# KiCad board pcb.kicad_pcb (continued)
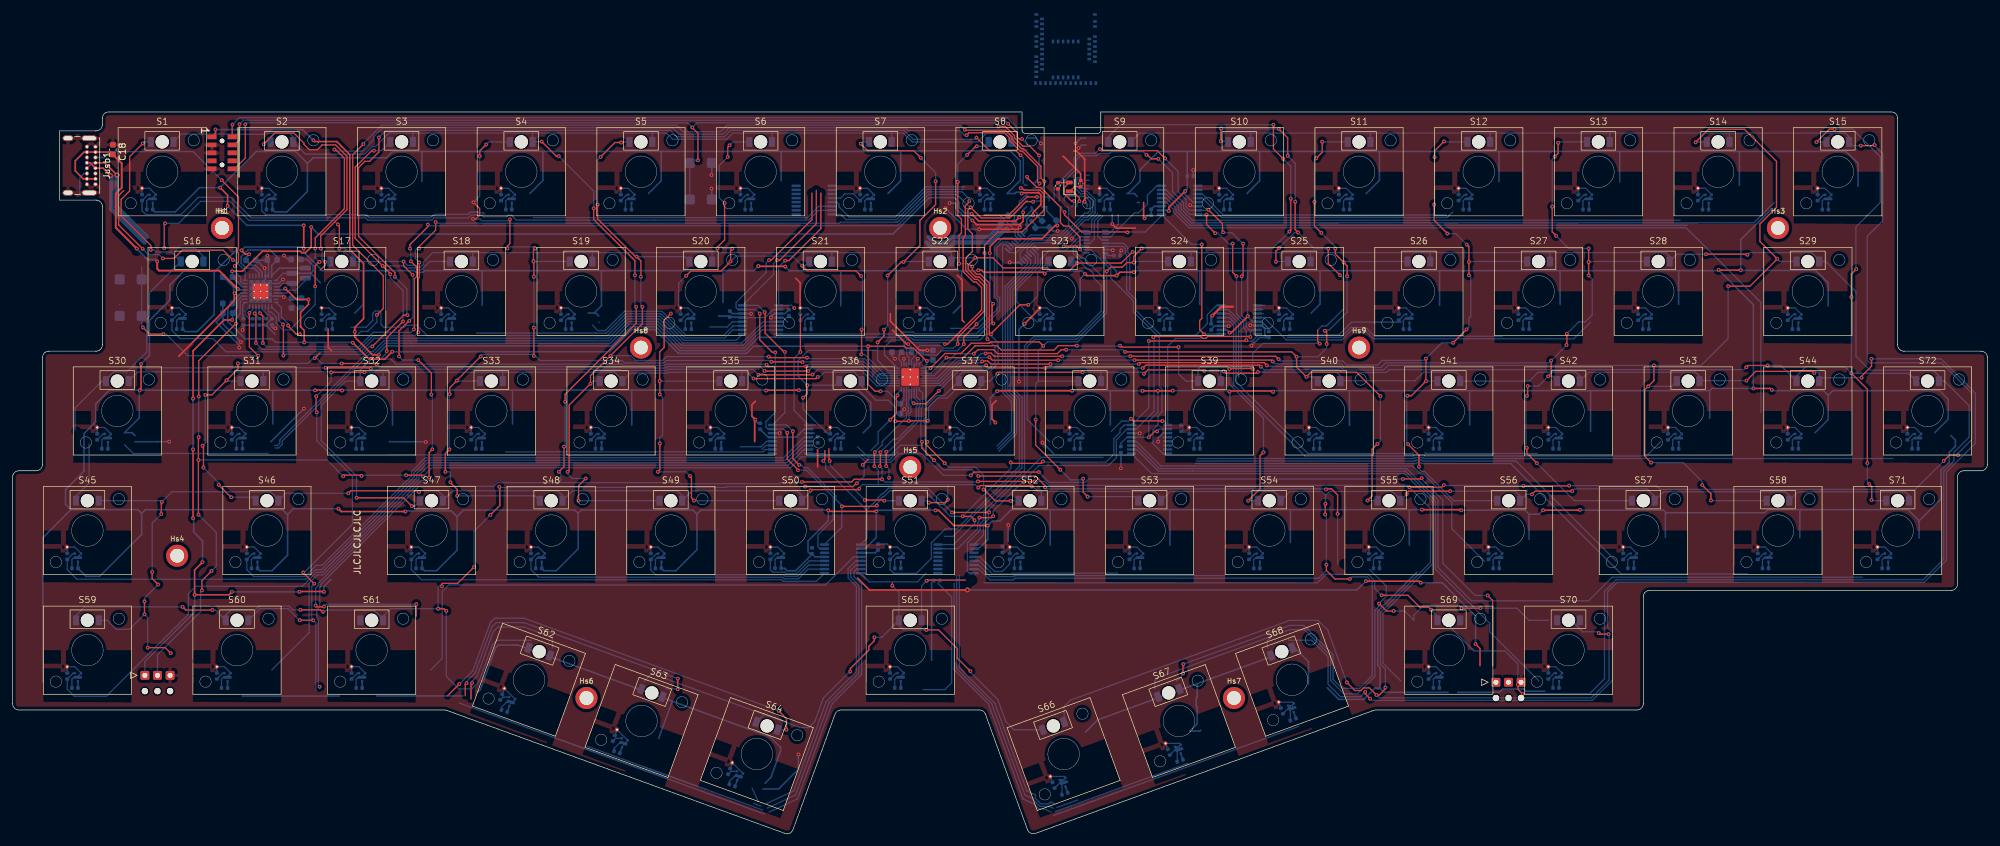
[diagram p0: board, top side]
## Routing (per net, layer and track width the routed paths; a pad name or vN(x,y) marks a point on that pad's centre or on a via; arc(x,y) is an arc through that point) (continued)
/CS14: length 141.9
  Top w0.2: v1(99.97,83.66) 99.97,80.96 v1(94.91,75.9) 91.74,72.73 v1(91.74,71.44) 88.36,68.06 88.36,57.7 v1(88.11,57.45) ; v1(120.02,75.75) 120.19,75.58 v1(126.11,75.58) ; v1(89.85,52.86) 89.85,55.25 v1(90.99,56.39) ; v1(96.6,109.76) 95.63,109.76 v1(93.34,107.47) ; v1(92.86,99.91) 92.86,97.65 98.89,91.62 v1(99.08,91.62) 99.74,90.96 v1(99.74,88.43)
  Bottom w0.2: v1(90.99,56.39) 88.83,56.39 88.11,57.11 v1(88.11,57.45) ; v1(126.11,75.58) 126.25,75.44 135.24,75.44 137.97,72.71 LEDDR1.21 ; D20.1 106.69,91.62 v1(99.08,91.62) ; v1(93.34,107.47) 92.86,106.99 v1(92.86,99.91) ; v1(120.02,75.75) 103.79,75.75 103.17,75.13 98.9,75.13 98.13,75.9 v1(94.91,75.9) ; D5.1 96.7,109.86 v1(96.6,109.76) ; v1(99.74,88.43) 99.74,83.89 v1(99.97,83.66) ; D34.1 92.16,71.86 v1(91.74,71.44) ; D49.1 v1(89.85,52.86)
/CS15: length 141.6
  Top w0.2: v1(134.78,80.05) 134.78,76.13 v1(134.73,76.09) ; v1(107.53,56.79) 107.77,56.55 107.77,53.3 v1(108.19,52.88) ; v1(114.25,92.88) 113.98,92.61 v1(113.98,90.86) 112.47,89.35 107.68,89.35 v1(106.92,88.59) ; v1(113.82,109.33) 113.53,109.04 v1(113.53,107.46) ; v1(111.9,92.92) 111.9,93.15 113.03,94.28 v1(113.03,100.16) ; v1(102.75,61.96) 102.75,57.75 v1(102.44,57.44) ; v1(104.49,82.58) 103.44,81.53 103.44,77.2 102.72,76.48 v1(102.72,71.88) 102.74,71.86 v1(102.74,69.74) ; v1(134.69,88.56) 133.86,89.39 126.14,89.39 v1(125.36,90.17)
  Bottom w0.2: D35.1 102.74,71.86 v1(102.72,71.88) ; v1(102.75,61.96) 102.74,61.97 102.74,62.83 103.19,63.28 103.19,69.29 v1(102.74,69.74) ; LEDDR1.22 138.25,73.11 135.27,76.09 v1(134.73,76.09) ; D6.1 114.35,109.86 v1(113.82,109.33) ; D50.1 108.21,52.86 v1(108.19,52.88) ; v1(113.03,100.16) 112.17,101.02 112.17,106.1 v1(113.53,107.46) ; 105.74,83.83 105.74,87.41 v1(106.92,88.59) ; v1(113.98,90.86) 114.84,91.72 123.81,91.72 v1(125.36,90.17) 125.76,90.17 D21.1 ; v1(107.53,56.79) 106.88,57.44 v1(102.44,57.44) ; v1(134.78,80.05) 134.91,80.18 134.91,88.34 v1(134.69,88.56) ; v1(114.25,92.88) 112.81,92.88 112.54,93.15 111.96,93.15 111.9,93.09 v1(111.9,92.92)
/CS16: length 106
  Top w0.2: v1(137.32,78.01) 138.33,79.02 v1(138.33,80.02) ; v1(138.4,52.86) 138.3,52.96 v1(135.29,52.96) ; v1(144.18,107.33) 143.05,108.46 135.75,108.46 v1(134.64,109.57) ; v1(146.53,103.6) 146.53,99.88 144.03,97.38 144.03,93.38 v1(141.44,90.79) 141.08,90.79 v1(138.91,88.62) ; v1(129.71,59.16) 129.59,59.28 129.59,61.11 ; v1(126.15,71.21) 126.15,69.87 v1(125.48,69.2)
  Bottom w0.2: v1(146.53,103.6) 146.53,104.98 v1(144.18,107.33) ; v1(125.48,69.2) 125.48,67.42 129.59,63.31 ; 137.32,76.73 v1(137.32,78.01) ; 137.32,76.73 137.31,76.74 126.35,76.74 124.69,75.08 124.69,72.67 v1(126.15,71.21) 130.55,71.21 D36.1 ; 137.32,76.73 137.32,75.14 138.95,73.51 LEDDR1.23 ; D51.1 v1(138.4,52.86) ; v1(135.29,52.96) 129.79,58.46 129.79,59.08 v1(129.71,59.16) ; v1(141.44,90.79) 141.51,90.86 D22.1 ; v1(138.33,80.02) 138.91,80.6 v1(138.91,88.62) ; D7.1 134.93,109.86 v1(134.64,109.57)
/CS17: length 122.2
  Top w0.2: v1(161.24,83.97) 159.9,83.97 155.3,79.37 v1(155.3,79.3) ; v1(150.25,90.5) 150.25,95.02 150.63,95.4 150.63,97.57 150.05,98.15 v1(150.05,103.51) ; 155.05,79.24 155.05,79.26 155.1,79.3 v1(155.3,79.3) ; v1(153.06,109.16) 152.9,109.16 v1(151.52,107.78) ; v1(158.45,52.83) 156.01,52.83 154.22,54.62 v1(154.13,54.62) ; v1(155.3,79.3) 155.23,79.3 155.05,79.48 155.05,87.41 153.61,88.85 153.01,88.85 152.35,89.51 v1(152.35,90.05) ; v1(147.98,58.81) 144.97,61.82 144.97,61.96 v1(145.22,62.21)
  Bottom w0.2: v1(151.52,107.78) 150.05,106.31 v1(150.05,103.51) ; v1(161.24,83.97) 161.37,83.97 162.72,85.32 162.72,89.13 D23.1 ; v1(145.22,62.21) 144.87,62.55 144.87,65.06 144.65,65.28 144.65,65.82 145.02,66.19 145.02,67.9 146.69,69.56 147.9,69.56 D37.1 150.2,72.66 150.82,73.28 155.03,73.28 156.45,74.7 156.45,77.95 155.3,79.1 v1(155.3,79.3) 154.5,79.3 153.58,78.38 143.02,78.38 142.6,78.8 141.74,78.8 141.32,78.38 139.57,78.38 138.4,77.21 138.4,76.02 LEDDR1.24 ; v1(152.35,90.05) 151.9,90.5 v1(150.25,90.5) ; v1(153.06,109.16) 154.25,109.16 D8.1 ; v1(158.45,52.83) 159.67,52.83 D52.1 ; v1(147.98,58.81) 148.62,58.17 152.89,58.17 154.13,56.93 v1(154.13,54.62)
/GPIO_X: length 161.4
  Top w0.2: v1(48.03,86.92) 48.03,90.18 48.63,90.78 v1(48.71,90.78) ; v1(48.04,92.92) 48.04,94.61 52.67,99.24 52.67,107.25 51.27,108.65 v1(51.08,108.65) ; v1(163.04,103.26) 162.95,103.26 162.71,103.5 162.71,105.96 160.29,108.37 159.99,108.37 158.25,110.11 158.25,110.51 157.45,111.31 151.85,111.31 v1(151.45,110.91)
  Bottom w0.2: v1(48.04,92.92) 48.04,91.45 v1(48.71,90.78) ; v1(48.03,86.92) 48.03,84.01 43.99,79.98 42.91,79.98 41.86,81.02 41.86,82.02 41.04,82.84 40.62,82.84 PMIC1.10 ; v1(51.08,108.65) 51.32,108.41 55.5,108.41 57.36,110.27 57.36,110.71 58.75,112.1 104.78,112.1 105.8,111.08 112.76,111.08 113.78,112.1 141.69,112.1 142.13,111.66 150.35,111.66 151.1,110.91 v1(151.45,110.91) ; v1(163.04,103.26) 163.04,103.1 162.5,102.56 162,102.56
/INT: length 169.9
  Top w0.2: 43.7,80.64 43.71,80.64 ; 43.7,80.64 43.71,80.63 ; 43.7,80.64 45.03,79.31 v1(45.6,79.31) ; 43.7,80.64 43.71,80.64 ; 43.71,80.64 v1(43.75,80.68) 43.71,80.64 ; v1(163.79,103.56) 163.25,104.1 163.25,105.98 160.46,108.77 160.15,108.77 158.65,110.28 158.65,110.68 157.62,111.71 151.22,111.71 v1(151.17,111.76) ; v1(57.83,82.36) 58.85,83.38 58.85,88.59 53.99,93.45 53.99,107.81 v1(55.69,109.52)
  Bottom w0.2: v1(55.69,109.52) 55.69,109.61 58.59,112.5 105.42,112.5 106.44,111.48 112.39,111.48 113.41,112.5 150.43,112.5 v1(151.17,111.76) ; v1(45.6,79.31) 45.88,79.03 54.59,79.03 55.32,79.76 56.37,79.76 57.83,81.22 v1(57.83,82.36) ; v1(43.75,80.68) 43.75,80.95 42.66,82.04 42.66,83.53 PMIC1.8 ; 162,101.76 162.61,101.76 163.79,102.94 v1(163.79,103.56)
/LED_DR_EN: length 46.7
  Top w0.2: v1(151,77.72) 151,78.84 153.03,80.88 v1(153.03,80.89) ; v1(160.05,102.51) 160.25,102.51 160.55,102.21 163.07,102.21 163.68,101.61 163.68,98.97 160.25,95.55 156.38,95.55 154.29,93.45 v1(154.29,92.2)
  Bottom w0.2: LEDDR1.32 144.49,75.09 144.49,76.23 C33.1 144.74,75.99 146.71,75.99 147.39,76.67 149.95,76.67 v1(151,77.72) ; v1(154.29,92.2) 154.47,92.02 154.47,82.32 v1(153.03,80.89) ; 161.1,102.16 160.6,102.16 160.25,102.51 v1(160.05,102.51)
/LOADSW_CTRL: length 174.6
  Top w0.2: v1(42.92,80.86) 42.99,80.79 v1(42.99,75.91) ; v1(160.02,107.72) 159.29,108.46 155.1,108.46 v1(153.02,110.54) ; v1(58.14,110.57) 58.14,108.25 56.66,106.77 55.9,106.77 54.92,105.79 54.92,94.85 60.69,89.08 v1(60.69,88.42) ; v1(57.1,77.36) 62.07,82.33 v1(62.67,82.33)
  Bottom w0.2: PMIC1.9 42.26,82.53 42.26,81.52 v1(42.92,80.86) ; v1(42.99,75.91) 43.19,76.11 55.45,76.11 56.7,77.36 v1(57.1,77.36) ; v1(60.69,88.42) 62.6,86.51 62.6,82.4 v1(62.67,82.33) ; v1(160.02,107.72) 160.45,107.29 160.45,103.28 160.77,102.96 161.1,102.96 ; v1(58.14,110.57) 59.27,111.7 104.39,111.7 105.41,110.68 112.99,110.68 114.01,111.7 141.53,111.7 142.97,110.26 152.74,110.26 v1(153.02,110.54)
/MUX_B_1: length 29.8
  Bottom w0.2: 150.9,102.32 145.12,102.32 140.32,97.52 132.27,97.52 131.45,98.34 MUXB1.8 ; 159.65,94.43 MUXA1.14 159.16,94.93 159.16,95.75 156.71,98.2 155.01,98.2
/MUX_B_2: length 50
  Bottom w0.2: MUXA1.11 158.59,93.37 158.01,93.95 157.16,93.95 156.28,93.07 156.28,85.47 156.71,85.04 156.71,83.07 153,79.37 143.24,79.37 142.96,79.65 141.38,79.65 141.07,79.34 MUXB2.8
/MUX_B_3: length 43.7
  Bottom w0.2: 140.57,60.72 139.21,59.36 135.63,59.36 134.72,60.27 ; 128.96,60.34 MUXB3.8 ; MUXA1.5 161.61,91.07 161.61,90.36 157.98,86.73 157.98,70.37 157.98,70.36 159.38,68.96 159.38,63.53 156.57,60.72
/MUX_B_4: length 65.4
  Bottom w0.2: 144.97,41.31 143.63,39.97 135.98,39.97 MUXB4.8 ; MUXA1.2 162.15,92.66 162.77,92.04 162.77,90.39 158.78,86.4 158.78,70.7 160.24,69.24 160.24,58.06 160.17,58.06 149.3,47.19 147.96,47.19
/MUX_B_5: length 13.1
  Bottom w0.2: MUXB5.8 181.65,102.89 180.15,101.39 180.15,99.98 178.74,98.58 178.1,98.58 174.28,94.75 MUXA2.11
/MUX_B_6: length 31.8
  Bottom w0.2: MUXB6.8 191.15,83.89 189.65,82.39 189.65,80.98 187.8,79.13 182.3,79.13 178.32,83.11 178.32,84.79 176.85,86.26 176.85,91.91 176.65,92.11 176.65,92.89 176.29,93.25 MUXA2.14
/MUX_B_7: length 39.8
  Bottom w0.2: MUXB7.8 182.63,60.34 181.04,61.92 181.04,64.14 181.84,64.94 181.84,66.36 182.47,66.99 182.47,70.58 182.05,71 182.05,78.75 177.92,82.88 177.92,84.62 174.33,88.22 174.33,89.58 171.16,92.75 MUXA2.2
/MUX_B_8: length 70
  Bottom w0.2: MUXA2.5 169.4,94.25 168.4,93.24 168.4,92.13 169.75,90.78 169.75,90.49 170.63,89.61 170.92,89.61 171.58,88.94 171.58,88.3 172.83,87.05 172.83,82.98 168.76,78.91 162.09,78.91 160.66,77.48 160.66,77.47 160.64,77.46 160.64,57.68 154.18,51.21 154.18,49.75 153.59,49.16 153.59,48.17 151.57,46.15 151.57,41.64 151.88,41.34 MUXB8.8
/MUXA_SEL: length 25
  Top w0.2: v1(166.87,93.25) 166.92,93.3 168.95,93.3 v1(169.44,92.81) 169.44,94.75 167.7,96.49 166.87,96.49 166.35,97.01 166.35,99.48 164.12,101.71 164.12,101.73 163.24,102.61 162.62,102.61 161.05,104.18 v1(161.05,104.31)
  Bottom w0.2: MUXA1.1 166.64,93.02 v1(166.87,93.25) ; v1(161.05,104.31) 161.1,104.26 161.1,103.76 ; v1(169.44,92.81) 169.44,92.72 169.91,92.25 MUXA2.1
/MUXB_SEL_0: length 187.1
  Top w0.2: v1(182.54,65.52) 177.9,65.52 v1(177.55,65.87) ; v1(167,98.71) 167,98.26 169.71,95.55 176.94,95.55 v1(177,95.49) ; v1(188.78,93.58) 188.78,81.81 188.45,81.48 188.45,80.02 v1(189.16,79.31) ; 128.95,60.81 128.95,59.44 v1(128.69,59.18) ; v1(125.06,76.47) 125.06,82.42 ; v1(149.13,50.99) 154.98,50.99 v1(155.01,51.02) ; 128.31,101.74 128.31,96.08 123.23,91 v1(122.63,91)
  Bottom w0.2: 127.45,64.89 MUXB3.1 124.06,67.19 124.06,75.47 v1(125.06,76.47) ; 174.43,63.87 176.06,65.5 177.18,65.5 v1(177.55,65.87) ; v1(188.78,93.58) 187.14,93.58 MUXB5.1 182.39,98.13 179.81,95.55 177.06,95.55 v1(177,95.49) ; v1(124.09,83.45) 123.66,83.89 MUXB2.1 121.61,89.98 v1(122.63,91) ; v1(128.69,59.18) 129.06,58.81 129.06,57.89 134.64,52.31 135.63,51.33 ; 135.63,51.33 135.63,46.9 MUXB4.1 ; 135.63,51.33 135.63,51.42 137.35,53.14 137.35,53.29 137.97,53.91 138.12,53.91 139.07,54.86 145.26,54.86 v1(149.13,50.99) ; MUXB8.1 154.11,47.38 154.11,49.12 154.91,49.92 154.91,50.92 v1(155.01,51.02) 155.01,51.46 163.3,59.74 173.11,59.74 ; 166.55,99.56 166.55,99.06 166.9,98.71 v1(167,98.71) ; MUXB6.1 189.19,79.34 v1(189.16,79.31) 188.49,78.63 184.62,78.63 183.36,77.37 MUXB7.1 182.73,65.52 v1(182.54,65.52)
/MUXB_SEL_1: length 232.6
  Top w0.2: v1(189.54,98.3) 189.54,96.73 v1(190.91,95.36) ; v1(122.61,76.49) 122.45,76.49 119.47,79.47 119.47,82.74 v1(119.39,82.81) ; v1(124.87,58.54) 123.86,59.55 v1(123.86,63.88) ; 127.59,102.16 127.59,96.86 121.8,91.07 v1(121.34,91.07) ; v1(180,107.81) 180.13,107.81 180.77,107.17 v1(181.9,107.17) ; v1(137.19,52.09) 137.19,52.07 137.08,51.96 v1(131.64,51.96) ; v1(180.38,78.23) 195.73,78.23 v1(195.85,78.35) ; v1(158.44,58.94) 158.59,58.79 163.26,58.79 v1(163.56,59.09) ; v1(152.71,49.74) 152.71,49.81 152.15,50.37 v1(150.81,50.37) ; v1(193.69,93.7) 193.69,89.11 v1(194.3,88.5)
  Bottom w0.2: MUXB4.16 131.64,48.64 v1(131.64,51.96) 131.64,52.1 130.68,53.05 130.68,53.62 126.19,58.11 125.62,58.11 125.2,58.54 v1(124.87,58.54) ; v1(119.39,82.81) 118.32,83.89 MUXB2.16 120.8,88.8 120.8,90.53 v1(121.34,91.07) ; v1(189.54,98.3) 189.5,98.34 MUXB5.16 186.91,98.34 185.88,99.37 185.88,100.22 184.13,101.97 184.13,104.94 v1(181.9,107.17) ; v1(193.69,93.7) 193.57,93.58 193.16,93.58 191.38,95.36 v1(190.91,95.36) ; v1(152.71,49.74) 152.76,49.69 152.76,49.26 149.39,45.89 MUXB8.16 ; v1(180,107.81) 179.5,108.31 174.42,108.31 174.12,108.01 172.42,108.01 172.06,107.66 169.5,107.66 168.9,107.06 168.9,105.59 166.15,102.84 166.15,100.46 ; v1(180.38,78.23) 180.38,67.62 MUXB7.16 176.49,64.89 175.8,64.2 175.8,63.7 174.82,62.73 174.82,60.26 173.55,58.98 163.67,58.98 v1(163.56,59.09) ; v1(194.3,88.5) 194.3,82.5 195.43,81.37 195.43,80.31 195.85,79.89 v1(195.85,78.35) 195.98,78.22 196.78,78.22 197.61,79.06 MUXB6.16 ; v1(123.86,63.88) 122.86,64.89 MUXB3.16 122.61,66.86 v1(122.61,76.49) ; v1(137.19,52.09) 137.19,52.37 137.75,52.93 137.75,53.13 138.13,53.51 138.33,53.51 139.28,54.46 144.76,54.46 148.85,50.37 v1(150.81,50.37) 158.51,58.07 158.51,58.87 v1(158.44,58.94)
/MUXB_SEL_2: length 211.6
  Top w0.2: v1(195.34,93.7) 195.34,88.73 v1(195.11,88.5) ; v1(122.98,63.65) 122.98,59.47 124.68,57.77 v1(124.68,57.71) ; v1(189.83,99.09) 192.07,96.85 192.07,95.59 v1(192.16,95.5) ; v1(181.08,78.84) 181.19,78.95 188.6,78.95 188.9,78.66 189.43,78.66 189.73,78.95 196.41,78.95 v1(196.5,78.87) ; v1(120.08,91.07) 120.44,91.07 126.9,97.53 126.9,101.72 ; v1(118.61,82.58) 118.61,78.42 120.61,76.42 v1(121.08,76.42) ; v1(182.96,107.23) 181.73,108.46 172.88,108.46 v1(172.62,108.72) ; v1(155.66,50.39) 155.44,50.17 v1(153.47,50.17)
  Bottom w0.2: v1(118.61,82.58) 117.95,83.24 MUXB2.15 115.15,83.24 114.85,83.54 114.85,84.34 119.62,89.11 119.62,90.61 v1(120.08,91.07) ; MUXB8.15 150.03,45.24 153.19,48.39 153.19,49.33 153.38,49.52 153.38,50.08 v1(153.47,50.17) ; v1(196.5,78.87) 196.5,79.61 196.88,79.99 ; MUXB6.15 196.88,79.99 ; 196.88,79.99 196.32,79.99 195.83,80.47 195.83,81.54 195.11,82.26 v1(195.11,88.5) ; 172.58,108.76 v1(172.62,108.72) 172.56,108.72 171.9,108.06 169.33,108.06 168.5,107.23 168.5,105.81 165.35,102.66 165.35,100.46 ; v1(192.16,95.5) 192.25,95.41 193.58,95.41 195.22,93.77 195.22,93.58 v1(195.34,93.7) ; v1(182.96,107.23) 185.03,105.16 185.03,101.95 186.28,100.7 186.28,99.53 186.83,98.99 MUXB5.15 189.72,98.99 v1(189.83,99.09) ; MUXB4.15 128.15,45.24 127.85,45.54 127.85,47.44 130.28,49.87 130.28,53.45 126.02,57.71 v1(124.68,57.71) ; v1(181.08,78.84) 181.2,78.72 181.2,67.06 178.37,64.24 MUXB7.15 176.9,64.24 175.23,62.56 175.23,59.69 173.98,58.44 162.92,58.44 155.66,51.18 v1(155.66,50.39) ; v1(122.98,63.65) 122.39,64.24 MUXB3.15 119.9,64.24 119.6,64.54 119.6,65.42 121.08,66.9 v1(121.08,76.42)
/NRESET: length 155.1
  Top w0.2: v1(156.52,112.33) 157.56,112.33 159.05,110.84 159.05,110.5 160.38,109.17 161.49,109.17 v1(162.95,107.71) ; v1(36.94,112.64) 36.94,107.28 35.23,105.57 JTAG1.10 ; v1(108.8,106.94) 108.8,111.24 v1(107.9,112.14)
  Bottom w0.2: v1(156.52,112.33) 155.95,112.9 108.66,112.9 v1(107.9,112.14) 107.14,112.9 37.2,112.9 v1(36.94,112.64) ; 162,103.36 162.3,103.36 162.39,103.45 162.39,103.53 162.77,103.91 162.85,103.91 162.95,104.01 v1(162.95,107.71) ; v1(108.8,106.94) 107.93,106.94 SW1.2 SW1.2
/SCL: length 191
  Top w0.2: v1(148.01,77.74) 148.43,77.74 153.83,83.14 153.83,86.73 152.94,87.62 152.54,87.62 150.9,89.26 150.9,94.59 151.24,94.93 151.24,99.7 151.87,100.33 ; v1(64.57,90.7) 64.57,88.33 64.41,88.17 v1(64.41,79.61) ; v1(67.15,97.13) 67.15,95.83 64.51,93.19 v1(64.51,92.92) ; v1(162.62,101.11) 161.01,101.11 158.13,98.23 154.6,98.23 154.6,98.22 154.23,98.22 ; v1(38.63,77.91) 38.63,82.5 38.51,82.62 v1(38.42,82.62)
  Bottom w0.2: v1(162.62,101.11) 164.4,101.11 164.55,100.96 164.55,100.46 ; v1(64.41,79.61) 63.88,79.07 57.28,79.07 55.12,76.91 39.63,76.91 v1(38.63,77.91) ; PMIC1.14 38.62,82.83 v1(38.42,82.62) 38.42,82.55 R3.2 ; v1(148.01,77.74) 147.78,77.97 142.82,77.97 142.39,78.4 141.9,78.4 141.52,78.02 141.52,77.3 141.94,76.88 141.94,76.01 142.3,75.65 LEDDR1.28 ; v1(64.57,90.7) 63.96,91.31 63.96,92.64 64.24,92.92 v1(64.51,92.92) ; 151.87,100.78 150.73,101.92 145.28,101.92 140.48,97.12 140.24,97.12 140.23,97.11 131.42,97.11 131.25,96.93 67.35,96.93 v1(67.15,97.13)
  vias: v1(151.87,100.47)
/SDA: length 189.5
  Top w0.2: v1(162,100.36) 160.86,100.36 158.28,97.78 153.76,97.78 v1(152.09,99.45) 151.64,99 151.64,96 152.36,95.28 152.36,92.45 151.3,91.39 151.3,89.43 152.71,88.02 153.19,88.02 154.25,86.96 154.25,82.99 150.04,78.78 v1(150.04,77.76) ; v1(39.72,77.91) 39.73,77.92 39.73,82.19 v1(39.27,82.64) ; v1(63.22,90.89) 64.15,89.96 64.15,88.47 63.79,88.11 63.79,80.16 v1(63.7,80.07) ; v1(63.09,92.92) 63.09,93.56 65.91,96.39 v1(65.91,96.73)
  Bottom w0.2: v1(162,100.36) 162.1,100.46 163.75,100.46 ; v1(65.91,96.73) 66.12,96.53 140.46,96.53 145.45,101.52 149.9,101.52 151.97,99.45 ; LEDDR1.29 142.7,75.26 143.49,76.05 143.49,76.95 144.04,77.5 147.33,77.5 147.74,77.09 149.37,77.09 v1(150.04,77.76) ; v1(63.7,80.07) 63.24,79.61 57.25,79.61 54.95,77.31 40.32,77.31 v1(39.72,77.91) ; v1(63.22,90.89) 63.22,92.79 v1(63.09,92.92) ; PMIC1.13 39.12,82.79 v1(39.27,82.64) 39.34,82.64 R4.2
/SW0: length 890.6
  Top w0.2: v1(239.84,55.21) 247.07,55.21 v1(247.11,55.25) ; v1(125.31,55.84) 133.18,55.84 133.61,56.27 v1(138.02,56.27) ; v1(98.79,88.68) 98.79,90.99 92.25,97.53 v1(92.25,99.31) ; 72.77,21.33 72.77,23.73 v1(72.95,23.9) ; v1(293.41,109.26) 295.51,109.26 v1(295.61,109.36) ; v1(221.73,54.99) 226.86,54.99 v1(227.22,55.35) ; v1(86.71,107.59) 86.3,107.59 v1(83.98,109.91) ; v1(87.72,68.58) 87.72,69.76 98.99,81.03 v1(98.99,83.66) ; v1(253.34,31.65) 252,31.65 v1(251.81,31.84) ; v1(86.7,57.44) 87.54,58.28 v1(87.54,61.45) ; v1(211.8,23.99) 213.09,22.7 214.03,22.7 214.45,23.12 215.38,23.12 v1(216.53,21.98) 216.94,21.98 217.93,22.97 v1(217.93,23.19) ; v1(137.66,58.33) 137.76,58.43 v1(137.76,60.57) ; v1(306.57,59.17) 307.49,60.09 v1(308.83,60.09) ; v1(162.26,55.92) v1(153.25,55.92)
  Bottom w0.2: v1(251.81,31.84) 251.62,32.03 249.25,32.03 247.43,33.86 249.25,32.04 ; D13.2 253.55,111.2 253.61,111.26 ; v1(86.7,57.44) 87.03,57.11 87.03,56.1 86.66,55.73 ; D11.2 215.55,111.23 215.58,111.26 ; 272.6,111.26 272.55,111.21 D14.2 ; 272.6,111.26 253.61,111.26 ; 272.6,111.26 290.95,111.26 291.55,110.66 D15.2 292.15,109.26 v1(293.41,109.26) ; v1(137.76,60.57) 139.85,62.66 140.47,62.66 143.45,65.64 143.45,67.85 143.67,68.07 143.67,68.61 143.1,69.18 LEDDR1.11 ; v1(211.8,23.99) 208.78,32.29 207.24,33.83 202.7,33.83 167.94,21.18 166.92,20.16 D66.2 ; D9.2 178.95,111.26 196.53,111.26 ; 196.53,111.26 215.58,111.26 ; 196.53,111.26 196.55,111.24 D10.2 ; 215.58,111.26 234.57,111.26 ; 253.61,111.26 234.57,111.26 ; v1(48.74,23.3) 48.53,23.51 48.53,33.97 48.31,34.19 48.31,35.56 48.76,36.01 48.76,39.05 48.94,39.23 48.94,39.57 64.51,55.14 76.4,55.14 76.99,55.73 86.66,55.73 ; 101.55,111.26 103.8,111.26 104.78,110.28 113.37,110.28 114.35,111.26 120.55,111.26 ; 101.55,111.26 82.55,111.26 ; 101.55,111.26 D5.2 ; v1(87.72,68.58) 87.72,61.63 v1(87.54,61.45) ; v1(153.25,55.92) 153.15,55.82 138.47,55.82 v1(138.02,56.27) 138.02,57.97 v1(137.66,58.33) ; 234.57,111.26 234.55,111.24 D12.2 ; v1(306.57,59.17) 302.06,54.66 261.54,54.66 260.95,55.25 v1(247.11,55.25) ; 86.66,55.73 105.86,55.73 106.04,55.55 121.74,55.55 121.92,55.73 125.2,55.73 v1(125.31,55.84) ; D8.2 158.55,110.66 157.95,111.26 154.6,111.26 153.2,109.86 142.8,109.86 141.4,111.26 139.6,111.26 ; v1(162.26,55.92) 163.83,55.92 164.45,55.3 221.42,55.3 v1(221.73,54.99) 225.08,51.64 225.08,43.05 217.15,35.11 217.15,26.88 217.93,26.09 v1(217.93,23.19) ; v1(83.98,109.91) 83.93,109.86 D4.2 82.55,111.26 ; 63.55,111.26 59.74,111.26 59.44,110.96 59.44,110.96 59.15,110.67 59.15,110.67 57.6,109.12 57.1,109.12 55.89,107.91 46.5,107.91 D2.2 44.55,110.66 43.95,111.26 39.97,111.26 39.78,111.07 34.07,111.07 34.03,111.11 26.8,111.11 D1.2 ; 63.55,111.26 D3.2 ; 63.55,111.26 82.55,111.26 ; v1(308.83,60.09) 308.83,60.39 311.01,62.57 311.01,69.96 306.21,74.76 294.81,74.76 294.42,75.15 294.42,94.86 296.86,97.3 296.86,100.03 296.9,100.07 296.9,107.94 295.61,109.23 v1(295.61,109.36) ; v1(253.34,31.65) 253.44,31.55 253.44,24.36 250.62,21.54 216.97,21.54 v1(216.53,21.98) ; D7.2 139.55,111.21 139.6,111.26 ; v1(98.79,88.68) 98.79,83.86 v1(98.99,83.66) ; v1(86.71,107.59) 92.25,102.05 v1(92.25,99.31) ; v1(72.95,23.9) 72.95,24.18 73.74,24.98 76.32,32.05 77.05,32.79 81.19,32.79 85.66,31.16 85.69,31.13 85.69,29.46 ; 120.55,111.26 139.6,111.26 ; 120.55,111.26 D6.2 ; v1(227.22,55.35) 227.29,55.27 239.78,55.27 v1(239.84,55.21)
/SW1: length 685.8
  Top w0.2: v1(145.1,40.14) 145.21,40.25 151.25,40.25 ; v1(51.65,96.73) 51.87,96.51 v1(51.87,92.92) ; 64.09,34.54 v1(64.09,36.41) ; v1(66.48,69.72) 66.48,73.12 v1(64.4,75.2) ; v1(154.75,78.53) 154.65,78.64 154.65,87.18 153.41,88.42 152.88,88.42 151.7,89.6 151.7,90.32 152.82,91.44 v1(152.82,91.45) 155.63,91.45 157.24,89.84 164.28,89.84 164.66,89.46 167.84,89.46 v1(168.99,90.61) 176,90.61 177.78,92.39 v1(177.82,92.39) ; v1(275.4,91.93) 275.31,92.02 v1(268.81,92.02) ; v1(217.33,37.83) 221.5,37.83 223.4,35.94 224.79,35.94 v1(225.2,35.53) ; v1(24.21,96.92) 24.07,96.78 v1(24.07,93) ; v1(66.64,61.02) 66.13,60.51 v1(66.13,56.55) ; v1(238.96,23.62) 238.96,22.92 v1(239.74,22.14) ; v1(143.02,68.34) 143.09,68.27 145,68.27 v1(147.04,70.32) ; v1(48.11,36.21) 48.11,36.07 48.19,35.99 49.36,35.99 v1(49.42,36.05) ; v1(63.5,88.74) 62.06,90.18 v1(62.06,90.86) ; v1(62.97,81.42) 62.92,81.42 61.34,79.84 v1(61.34,75.78)
  Bottom w0.2: v1(24.07,93) 28.96,93 30.3,91.66 D16.2 ; v1(48.11,36.21) 48.11,38.97 48.54,39.39 48.54,39.74 64.87,56.07 65.65,56.07 v1(66.13,56.55) ; 225.05,92.26 206,92.26 ; 225.05,92.26 244.05,92.26 ; 225.05,92.26 D26.2 ; 206,92.26 206.05,92.21 D25.2 ; 206,92.26 187.13,92.26 ; v1(143.02,68.34) 142.7,68.66 LEDDR1.12 ; 130,92.26 149.01,92.26 149.05,92.22 D22.2 149.64,91.45 v1(152.82,91.45) ; 130,92.26 111.03,92.26 ; 130,92.26 130.05,92.21 D21.2 ; 111.03,92.26 111.05,92.24 D20.2 ; 111.03,92.26 92.08,92.26 ; v1(225.2,35.53) 226.05,34.68 226.05,33.86 227.13,33.86 232.01,28.98 236.88,28.98 238.96,26.9 v1(238.96,23.62) ; v1(64.4,75.2) 61.92,75.2 v1(61.34,75.78) ; D65.2 144.3,39.34 v1(145.1,40.14) ; 92.08,92.26 92.05,92.23 D19.2 ; 92.08,92.26 73.07,92.26 ; v1(62.97,81.42) 63.57,82.02 63.57,88.67 v1(63.5,88.74) ; 73.07,92.26 66.69,92.26 65.22,90.79 65.22,90.43 64.73,89.94 64.42,89.94 64.12,90.24 62.68,90.24 v1(62.06,90.86) D17.2 54.05,91.71 52.84,92.92 v1(51.87,92.92) ; 73.07,92.26 73.05,92.24 D18.2 ; 49.42,36.14 49.41,36.13 49.41,36.06 v1(49.42,36.05) 49.78,36.41 v1(64.09,36.41) ; v1(177.82,92.39) 177.77,92.34 177.77,92.27 177.78,92.26 187.13,92.26 ; v1(168.99,90.61) 168.74,90.86 D23.2 ; 187.13,92.26 187.05,92.18 D24.2 ; v1(268.81,92.02) 264.21,92.02 D28.2 263.05,91.66 262.45,92.26 244.05,92.26 ; v1(24.21,96.92) 26.36,96.92 29.85,100.41 34.5,100.41 37.52,97.39 50.99,97.39 v1(51.65,96.73) ; 244.05,92.26 D27.2 ; v1(154.75,78.53) 154.75,78.52 155.96,77.31 155.96,74.78 154.93,73.75 150.48,73.75 v1(147.04,70.32) ; 154.17,39.82 207.15,39.82 208.48,41.15 215.19,41.15 216.24,40.1 216.24,38.92 v1(217.33,37.83) ; v1(66.64,61.02) 66.64,69.56 v1(66.48,69.72) ; v1(275.4,91.93) 275.73,92.26 285.58,92.26 286.8,91.04 D29.2 287.81,90.86 292.63,86.04 292.63,75.81 294.85,73.59 304.87,73.59 305.8,72.66 D72.2 306.7,71.86 310.6,67.96 310.6,62.95 308.18,60.53 308.18,59.15 306.57,57.54 306.57,43.56 303.31,40.3 254.56,40.3 252.72,38.46 252.72,24.57 250.29,22.14 v1(239.74,22.14)
/SW2: length 630.1
  Top w0.2: v1(215.5,21.41) 214.72,22.19 v1(214.72,22.47) ; v1(189.18,73.5) 189.05,73.63 180.22,73.63 v1(179.6,73.01) ; v1(295.1,75.39) 295.1,74.21 293.47,72.58 293.47,72.46 v1(293.53,72.4) ; v1(121.62,19.47) 122.85,18.24 v1(122.85,16.46) ; 69.05,21.87 v1(70.92,23.74) 70.78,23.6 ; v1(286.02,73.13) 285.75,73.4 276.72,73.4 v1(275.25,71.93) ; v1(192.26,73.41) 192.56,73.11 197.51,73.11 v1(197.7,73.3) ; v1(46.15,41.46) 46.15,41.4 v1(47.89,39.66) ; v1(45.57,33.86) 45.58,33.87 47.71,33.87 v1(47.72,33.86) ; v1(156.34,73.05) 156.41,73.05 156.62,73.26 v1(169.87,73.26) ; v1(50.57,73.24) 50.59,73.26 v1(55.85,73.26) ; v1(127.83,72.51) 127.57,72.25 117.64,72.25 v1(117.62,72.27) ; v1(48.28,66.9) 48.18,67 48.18,69.41 v1(48.21,69.44) ; v1(140.12,65.47) 142.21,65.47 v1(142.27,65.53) 142.27,65.55 v1(145.3,65.55)
  Bottom w0.2: v1(145.3,65.55) 145.42,65.67 145.42,67.73 146.85,69.16 148.38,69.16 149.67,70.46 153.2,70.46 153.8,71.06 D37.2 155.15,71.86 v1(156.34,73.05) ; D60.2 39.27,35.71 43.72,35.71 v1(45.57,33.86) ; D31.2 39.8,73.26 39.73,73.33 ; v1(48.28,66.9) 48.28,62.4 53.95,56.73 53.95,49.11 46.3,41.46 v1(46.15,41.46) ; 84.7,32.91 v1(121.62,19.47) ; D39.2 191.8,73.33 191.72,73.41 ; v1(70.92,23.74) 70.97,23.74 73.05,25.82 75.85,33.5 76.54,34.2 81.16,34.2 84.78,32.88 ; 172.83,73.26 172.8,73.23 D38.2 ; 172.83,73.26 v1(169.87,73.26) ; 172.83,73.26 179.35,73.26 v1(179.6,73.01) ; D32.2 58.8,73.23 58.77,73.26 ; LEDDR1.13 142.3,68.14 142.6,67.84 142.6,66.97 142.3,66.67 142.3,65.56 v1(142.27,65.53) ; 48.13,22.73 48.13,33.45 v1(47.72,33.86) 47.5,34.08 47.5,39.27 v1(47.89,39.66) ; v1(214.72,22.47) 213.97,21.72 210.81,21.72 208.83,23.7 208.83,28.07 206.21,30.69 202.57,30.69 ; 115.78,73.26 115.8,73.24 D35.2 ; 115.78,73.26 116.63,73.26 v1(117.62,72.27) ; 115.78,73.26 104.13,73.26 104,73.13 98.07,73.13 D34.2 96.8,72.04 95.58,73.26 77.77,73.26 ; v1(189.18,73.5) 189.27,73.41 191.72,73.41 ; v1(293.53,72.4) 287.34,72.4 D44.2 286.8,73.03 286.56,73.27 286.16,73.27 v1(286.02,73.13) ; v1(140.12,65.47) 140.12,67.71 139,68.83 137.03,68.83 134.8,71.06 D36.2 ; 191.72,73.41 v1(192.26,73.41) ; 77.77,73.26 58.77,73.26 ; 77.77,73.26 77.8,73.23 D33.2 ; v1(127.83,72.51) 128.11,72.51 128.86,73.26 133.58,73.26 134.8,72.04 ; v1(295.1,75.39) 306.15,75.39 311.59,69.95 311.59,61.99 307,57.4 307,43.42 303.48,39.9 254.73,39.9 253.2,38.37 253.2,32.71 253.99,31.92 253.99,24.34 250.78,21.14 215.77,21.14 v1(215.5,21.41) ; v1(275.25,71.93) 267.87,71.93 D43.2 267.8,72.66 267.2,73.26 250.2,73.26 D42.2 248.8,72.66 248.2,73.26 242.18,73.26 240.78,71.86 D41.2 229.8,72.66 229.2,73.26 223.99,73.26 222.64,71.91 210.85,71.91 D40.2 210.8,72.66 210.18,73.28 198.46,73.28 198.44,73.3 v1(197.7,73.3) ; D64.2 122.85,16.46 v1(122.85,16.46) ; 58.77,73.26 v1(55.85,73.26) ; 39.73,73.33 19.89,73.33 D30.2 18.43,72.36 ; 39.73,73.33 50.48,73.33 v1(50.57,73.24) 50.57,71.8 v1(48.21,69.44)
/SW3: length 498.9
  Top w0.2: v1(208.38,50.67) 208.38,52.33 v1(208.42,52.37) ; v1(241.19,53.87) 241.69,54.37 v1(247.58,54.37) ; v1(161.8,55.13) 161.66,55.27 153.65,55.27 v1(153.31,54.93) ; v1(23.11,39.54) 22.16,40.49 v1(22.16,41.54) ; v1(134.41,54.76) 134.26,54.61 126.77,54.61 v1(126.64,54.48) ; v1(53.3,54.04) 53.69,54.43 64.31,54.43 v1(64.51,54.23) ; v1(25.11,28.63) 24.22,29.51 v1(21.44,29.51) ; v1(136.88,60.57) 136.81,60.5 v1(136.81,58.32) ; v1(228.22,54.37) 221.61,54.37 221.31,54.07 v1(221.31,53.92) ; v1(145.47,52.55) 147.97,52.55 v1(148.46,53.04) ; v1(72.07,23.87) 71.86,23.66 71.86,21.87 ; v1(185.81,25.42) 185.81,26.85 v1(185.86,26.9) ; v1(23.7,52.67) 23.61,52.58 v1(23.61,50.74) ; v1(208.56,42.7) 208.56,41.79 209.93,40.42 v1(212.29,40.42) ; v1(105.59,22.89) 105.59,24.57 v1(105.61,24.59) ; v1(20.94,36.86) v1(20.94,34.81)
  Bottom w0.2: v1(145.47,52.55) 145.16,52.86 D51.2 ; v1(72.07,23.87) 72.07,24.13 73.42,25.48 76.09,32.8 76.78,33.5 81.15,33.5 v1(105.61,24.59) ; 184.72,24.19 185.81,25.28 v1(185.81,25.42) ; 137.42,55.41 134.9,55.41 134.41,54.92 v1(134.41,54.76) ; 137.42,55.41 137.42,57.71 v1(136.81,58.32) ; 137.42,55.41 148.46,55.41 ; v1(105.59,22.89) 105.52,22.96 103.67,22.96 ; D52.2 163.3,54.3 163.32,54.32 ; v1(247.58,54.37) 247.94,54.73 259.49,54.73 260.68,53.55 D57.2 262.08,54.26 281.45,54.26 282.05,53.66 D58.2 283.45,54.26 300.45,54.26 301.05,53.66 D71.2 ; D45.2 23.51,52.86 v1(23.7,52.67) 25.29,54.26 40.96,54.26 42.17,53.04 D46.2 43.35,54.04 v1(53.3,54.04) ; v1(241.19,53.87) 240.31,53.87 D56.2 239.3,53.65 238.58,54.37 v1(228.22,54.37) ; v1(22.16,41.54) 22.16,49.29 v1(23.61,50.74) ; v1(20.94,36.86) 20.94,37.37 v1(23.11,39.54) ; v1(148.46,53.04) 148.46,55.41 ; 148.46,55.41 152.83,55.41 v1(153.31,54.93) ; v1(21.44,29.51) 21.44,34.31 v1(20.94,34.81) 18.56,32.43 16.43,32.43 15,33.86 D59.2 ; v1(161.8,55.13) 161.94,55.13 162.75,54.32 163.32,54.32 ; v1(208.38,50.67) 208.56,50.49 v1(208.56,42.7) ; 163.32,54.32 181.34,54.32 182.3,53.36 D53.2 183.76,54.32 200.27,54.32 201.3,53.29 D54.2 202.76,54.32 207.84,54.32 208.42,53.74 v1(208.42,52.37) 208.42,53.66 209.08,54.32 219.02,54.32 220.3,53.04 D55.2 221.31,53.87 v1(221.31,53.92) ; v1(212.29,40.42) 212.62,40.75 215.03,40.75 215.83,39.95 215.83,25.06 213.81,23.04 211.04,23.04 209.63,24.45 209.63,28.4 204.99,33.04 202.74,33.04 v1(185.86,26.9) ; v1(136.88,60.57) 138.05,61.74 138.05,62.23 141.9,66.08 141.9,66.83 142.2,67.13 142.2,67.67 141.9,67.98 LEDDR1.14 ; v1(64.51,54.23) 64.72,54.43 67.53,54.43 68.3,53.66 D47.2 69.87,54.43 86.53,54.43 87.3,53.66 D48.2 88.84,54.4 88.84,54.43 105.54,54.43 106.3,53.67 D49.2 107.87,54.43 124.53,54.43 125.3,53.66 D50.2 126.64,54.2 v1(126.64,54.48) 126.74,54.48 126.79,54.43
/SWDCLK: length 131.4
  Top w0.2: v1(158.02,112.75) 159.45,111.32 159.45,110.67 159.81,110.31 v1(160.25,110.31) ; v1(36.02,112.66) 36.02,110.17 35.23,109.38 JTAG1.4
  Bottom w0.2: v1(158.02,112.75) 157.47,113.3 36.66,113.3 v1(36.02,112.66) ; 161.1,109.36 161.1,109.46 v1(160.25,110.31)
/SWDIO: length 132.3
  Top w0.2: v1(34.91,112.6) 34.86,112.55 JTAG1.2
  Bottom w0.2: 161.1,108.56 160.48,108.56 159.45,109.59 159.45,112.17 157.91,113.71 36.02,113.71 v1(34.91,112.6)
/USB_D+: length 31.2
  Top w0.25: 13.15,106.54 14.62,106.54 v2(16.58,104.58)
  Bottom w0.25: Jusb1.B6 11.8,105.69 12.66,106.54 13.15,106.54
  Bottom w0.7: 145.44,94.74 146.3,93.88 148.2,93.88 149.06,94.74 155.09,94.74 156.89,96.53 R1.2 ; 21.31,94.74 16.53,99.52 16.53,104.53 v2(16.58,104.58)
/USB_D-: length 31.8
  Top w0.25: 11.8,106.54 12.3,106.54 13.15,105.69 Jusb1.A7 14.38,105.69 v2(15.55,104.51)
  Bottom w0.7: R2.2 157.49,95.93 155.44,93.88 149.41,93.88 148.56,93.02 145.94,93.02 145.09,93.88 ; 20.96,93.88 15.67,99.16 15.67,104.39 v2(15.55,104.51)
/VOUT2: length 20.8
  Bottom w0.25: PMIC1.28 39.12,89.01 38.34,89.8 37.06,89.8 36.29,90.57 36.29,91.64 37.34,92.69 40.88,92.69 41.99,91.58 C26.1 41.12,90.24 PMIC1.32 42.38,89.82 L2.1
/VSYS: length 158.2
  Top w0.2: v1(145.14,75.06) 145.06,75.06 143.8,76.32 143.78,76.32 143.49,76.62 143.49,76.64 143.02,77.1 141.9,77.1 141.6,77.4 v1(135.81,77.4) 135.81,71.35 136.92,70.24 v1(137.77,70.24)
  Top w0.25: v1(60.25,76.52) 59.07,75.34 56.62,75.34 v1(54,77.96) ; v1(46.3,78.01) 46.3,79.9 45.72,80.48 45.72,80.55 45.71,80.56 45.71,82.78 46.97,84.04 v1(46.97,84.83) 45.03,84.83 v1(43.29,86.57) 43.29,86.45
  Bottom w0.2: C35.1 145.28,75.19 v1(145.14,75.06) 145.14,74.57 LEDDR1.1 ; LEDDR1.15 141.5,68.83 C36.1 138.93,70.24 v1(137.77,70.24)
  Bottom w0.25: v1(54,77.96) 53.95,78.01 v1(46.3,78.01) 41.75,78.01 41.17,78.58 36.91,78.58 34.16,81.33 34.16,83.44 C12.1 ; PMIC1.4 43.08,86.36 v1(43.29,86.57) ; v1(135.81,77.4) 117.63,77.4 116.48,76.25 105.72,76.25 101.92,80.05 98.32,80.05 94.79,76.52 v1(60.25,76.52) ; v1(46.97,84.83) 46.04,84.83 C11.1 44.3,85.03 C10.1 ; 34.92,84.33 34.92,84.53 36.25,85.86 PMIC1.20
Net-(BAT1-NTC): length 304.2
  Top w0.2: v1(55.39,56.79) 55.25,56.93 52.68,56.93 v1(52.49,56.74) ; 220.78,56.38 v1(220.71,56.31) 223.55,56.31 v1(223.7,56.46) ; v1(29.51,50.63) 29.5,50.64 v1(29.5,59.33) 29.5,62.91 v1(29.54,62.95) ; v1(152.12,56.89) 152.64,57.41 v1(162.91,57.41) ; v1(65.16,56.7) 64.95,56.91 v1(62.47,56.91) ; v1(29.54,69.41) 29.55,69.42 29.55,75.09 v1(35.45,80.99) ; 234.95,26.61 234.95,37.02 v1(234.17,37.8) ; v1(31.58,41.69) 30.06,40.17 v1(30.06,38.61)
  Bottom w0.2: v1(223.7,56.46) 223.7,56.28 227.04,52.94 227.04,42.93 232.17,37.8 v1(234.17,37.8) ; v1(35.45,80.99) 35.45,81.8 36.13,82.48 36.13,84.48 36.51,84.86 PMIC1.18 ; v1(220.71,56.31) 170.81,56.31 170.27,55.77 164.55,55.77 v1(162.91,57.41) ; v1(30.06,38.61) 29.84,38.39 29.84,35.24 23,28.4 BAT1.2 ; v1(65.16,56.7) 66.55,58.09 123.51,58.09 125.23,59.81 134.61,59.81 135.46,58.96 139.38,58.96 140.74,60.32 144.34,60.32 147.77,56.89 v1(152.12,56.89) ; v1(29.5,59.33) 49.9,59.33 v1(52.49,56.74) ; v1(29.54,69.41) v1(29.54,62.95) ; v1(55.39,56.79) 55.51,56.91 v1(62.47,56.91) ; v1(29.51,50.63) 32.33,47.81 32.33,42.44 v1(31.58,41.69)
Net-(Jusb1-CC1): length 41.1
  Top w0.2: v1(33.2,103.77) 35.86,101.11 35.86,93.06 35.7,92.9 35.7,92.36 35.86,92.2 35.86,90.73 v1(35.27,90.14)
  Bottom w0.2: PMIC1.23 36.51,87.36 36.22,87.65 36.22,88.31 35.5,89.04 35.5,89.91 v1(35.27,90.14) ; 17.81,108.31 28.66,108.31 v1(33.2,103.77)
  Bottom w0.25: Jusb1.A5 14.53,107.39 15.45,108.31 17.81,108.31
Net-(Jusb1-CC2): length 35.8
  Top w0.2: v1(20.65,92.87) 16.83,96.69 16.83,101.34 17.61,102.12 ; v1(23.86,91.34) 25.62,91.34 26.94,92.66 33.42,92.66 v1(34.98,91.1)
  Bottom w0.2: 11.8,104.84 11.34,104.84 10.67,104.16 10.67,101.47 10.85,101.3 ; PMIC1.24 36.92,89.33 35.16,91.1 v1(34.98,91.1) ; v1(23.86,91.34) 23.23,91.97 21.55,91.97 v1(20.65,92.87)
Net-(LEDDR1-VCAP): length 2.3
  Bottom w0.2: C34.2 140.73,76.04 140.73,75.3 141.1,74.93 LEDDR1.25
Net-(MDBT1-D+): length 4.8
  Bottom w0.2: 161.1,101.36 160.79,101.36 159.81,100.38 159.81,99.85 158.16,98.2 R1.1
  Bottom w0.25: 161.13,101.32 160.97,101.32
Net-(MDBT1-D-): length 4.4
  Bottom w0.2: 161.1,100.56 161,100.56 160.21,99.77 160.21,99.58 159.04,98.4 R2.1
Net-(MDBT1-P0.00/XL1): length 5.7
  Top w0.2: v1(169.35,100.45) 169.35,100.96 168.3,102.01 Y1.1 167.85,102.01 168.59,102.75 C2.1
  Bottom w0.2: 168.95,99.56 168.95,100.05 v1(169.35,100.45)
Net-(MDBT1-P0.01/XL2): length 7.1
  Top w0.2: C4.1 166.05,103.37 166.09,103.41 Y1.2 166.9,102.56 166.9,101.67 168.09,100.47 v1(168.5,100.47)
  Bottom w0.2: v1(168.5,100.47) 168.45,100.42 168.45,99.86 168.15,99.56
Net-(PMIC1-SHPHLD): length 38.4
  Top w0.2: v1(37.59,82.71) 37.59,77.29 v1(38.99,75.89) ; v1(20.69,80.37) 21.75,79.31 v1(23.93,79.31)
  Bottom w0.2: v1(38.99,75.89) 27.8,75.89 24.38,79.31 v1(23.93,79.31) ; v1(37.59,82.71) 38.12,83.24 PMIC1.15 ; v1(20.69,80.37) 20.5,80.56 20.5,90.01
Net-(PMIC1-SW1): length 2.8
  Bottom w0.2: L1.2 42.9,87.38 42.38,86.86 PMIC1.3
Net-(PMIC1-SW2): length 5.8
  Bottom w0.2: PMIC1.5 43.55,85.86 44,86.31 44.95,86.31 46.46,87.82 L2.2
Net-(PMIC1-VBUS): length 50
  Top w0.25: C18.1 15.54,108.24 Jusb1.A4 Jusb1.B9 11.34,108.24 9.95,106.84 9.95,105.26 11.22,103.99 Jusb1.B4 Jusb1.A9
  Top w0.3: v1(19.7,92.92) 16.38,96.24 16.38,101.65 17.33,102.6 17.33,106.45 C18.1 ; v1(35.78,86.48) 35.72,86.48 32.79,89.41 23.25,89.41 22.96,89.7 v1(22.96,90.87)
  Bottom w0.3: v1(35.78,86.48) 35.9,86.36 PMIC1.21 ; v1(19.7,92.92) 19.7,92.89 21.43,91.16 22.67,91.16 v1(22.96,90.87)
Net-(PMIC1-VSET1): length 2.8
  Bottom w0.2: R5.2 36.64,82.15 36.53,82.27 36.53,83.96 PMIC1.17
Net-(PMIC1-VSET2): length 3
  Bottom w0.2: PMIC1.16 36.93,82.96 36.93,82.43 37.59,81.77 R6.2

## Copper pours and planes (outline as drawn; the poured copper is in the pictures)
GND on Top: -10.9,122.51 317.64,120.09 319.23,-21.96 -10.15,-21.79

Small or netless copper shapes (teardrops, artwork), in the pictures only: 445 on Top, 940 on Bottom

## Text on the board
User.Eco2: NOTE: Cavity in the housing should account for pcb depth (1.2mm) and heights of: / - USB connector GCT USB4215 (shorter) or USB4105 (3.2mm + .7mm gap above) / - JLink connector Semtec CLP-105-2 (2.35+.35mm) / - JLCPCB 1mm pcb (USB pair traces are adjusted for 1mm pcb)
